# Altium PCB PCB1.PcbDoc
Units mm, origin at the board's own origin, x right, y up, seen from the top; angles counter-clockwise.
Board outline 152.4 x 101.6 mm, 2 copper layers (Top Layer, Bottom Layer); 5 components, 9 nets, 125 pads, 140 vias.
Unrouted connection lines stored in the file: 6.
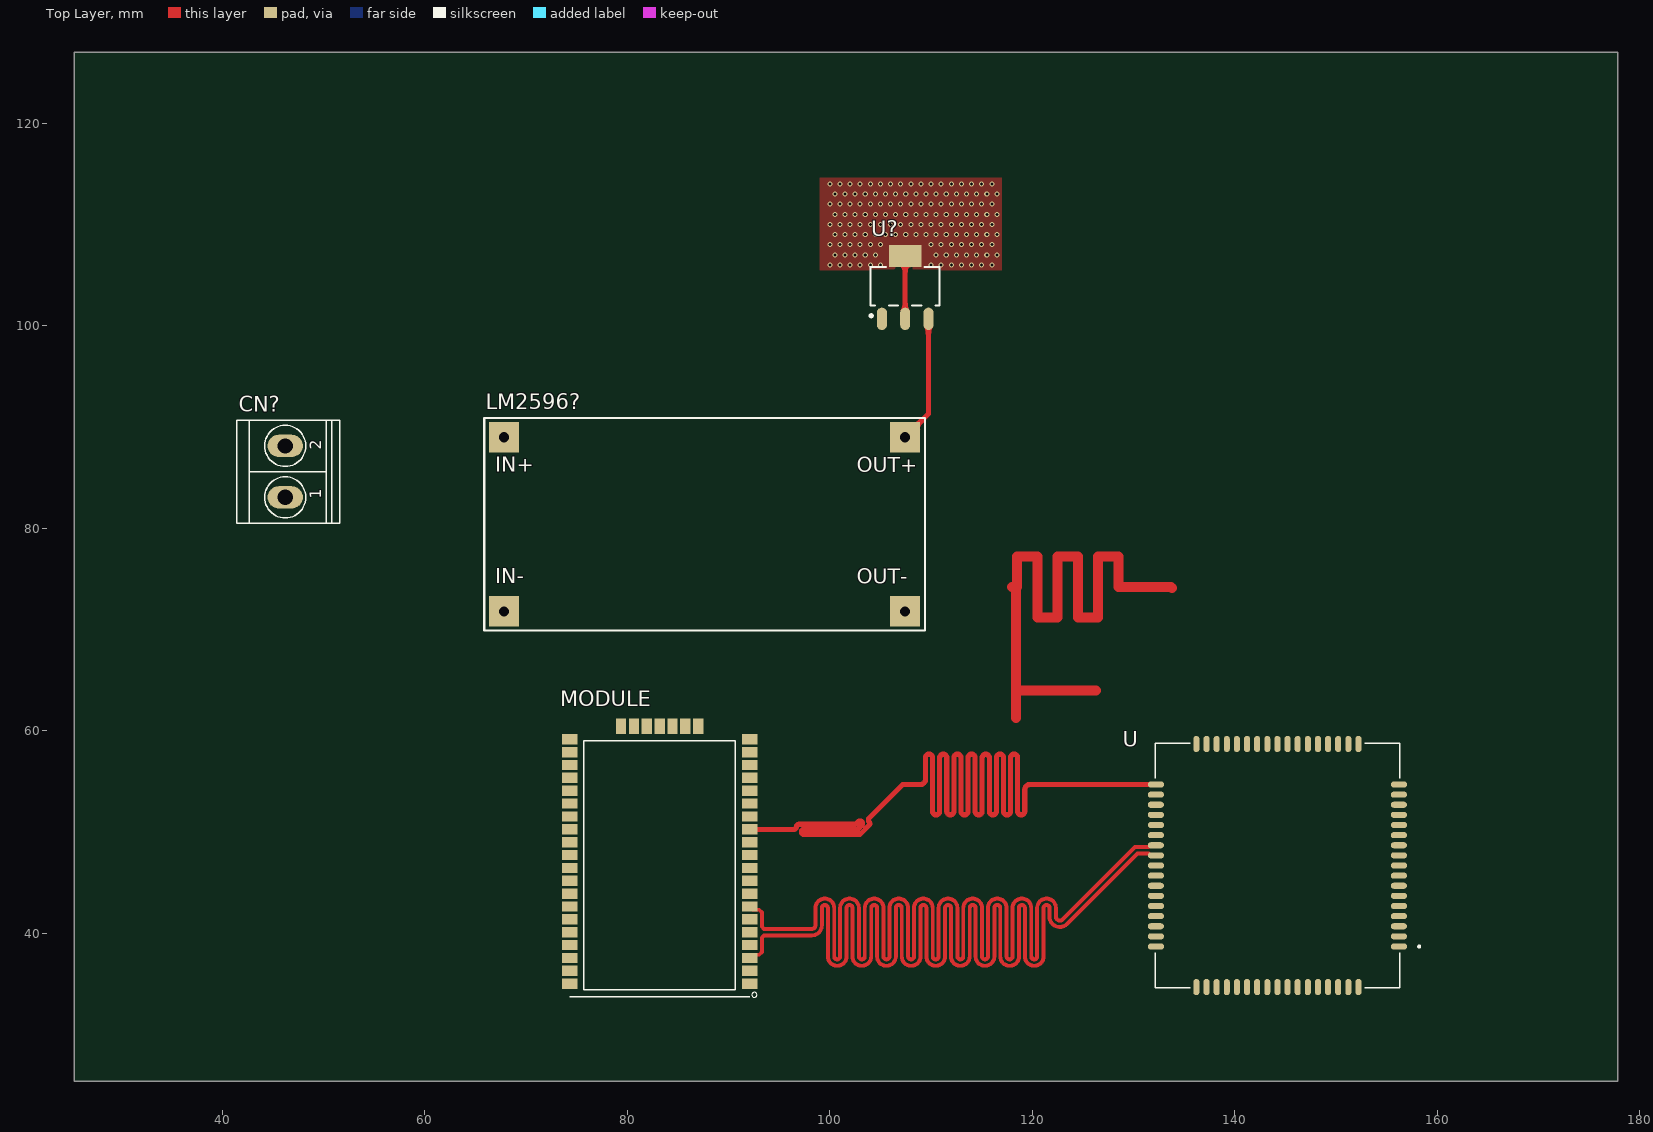
[diagram p0: Top Layer view]
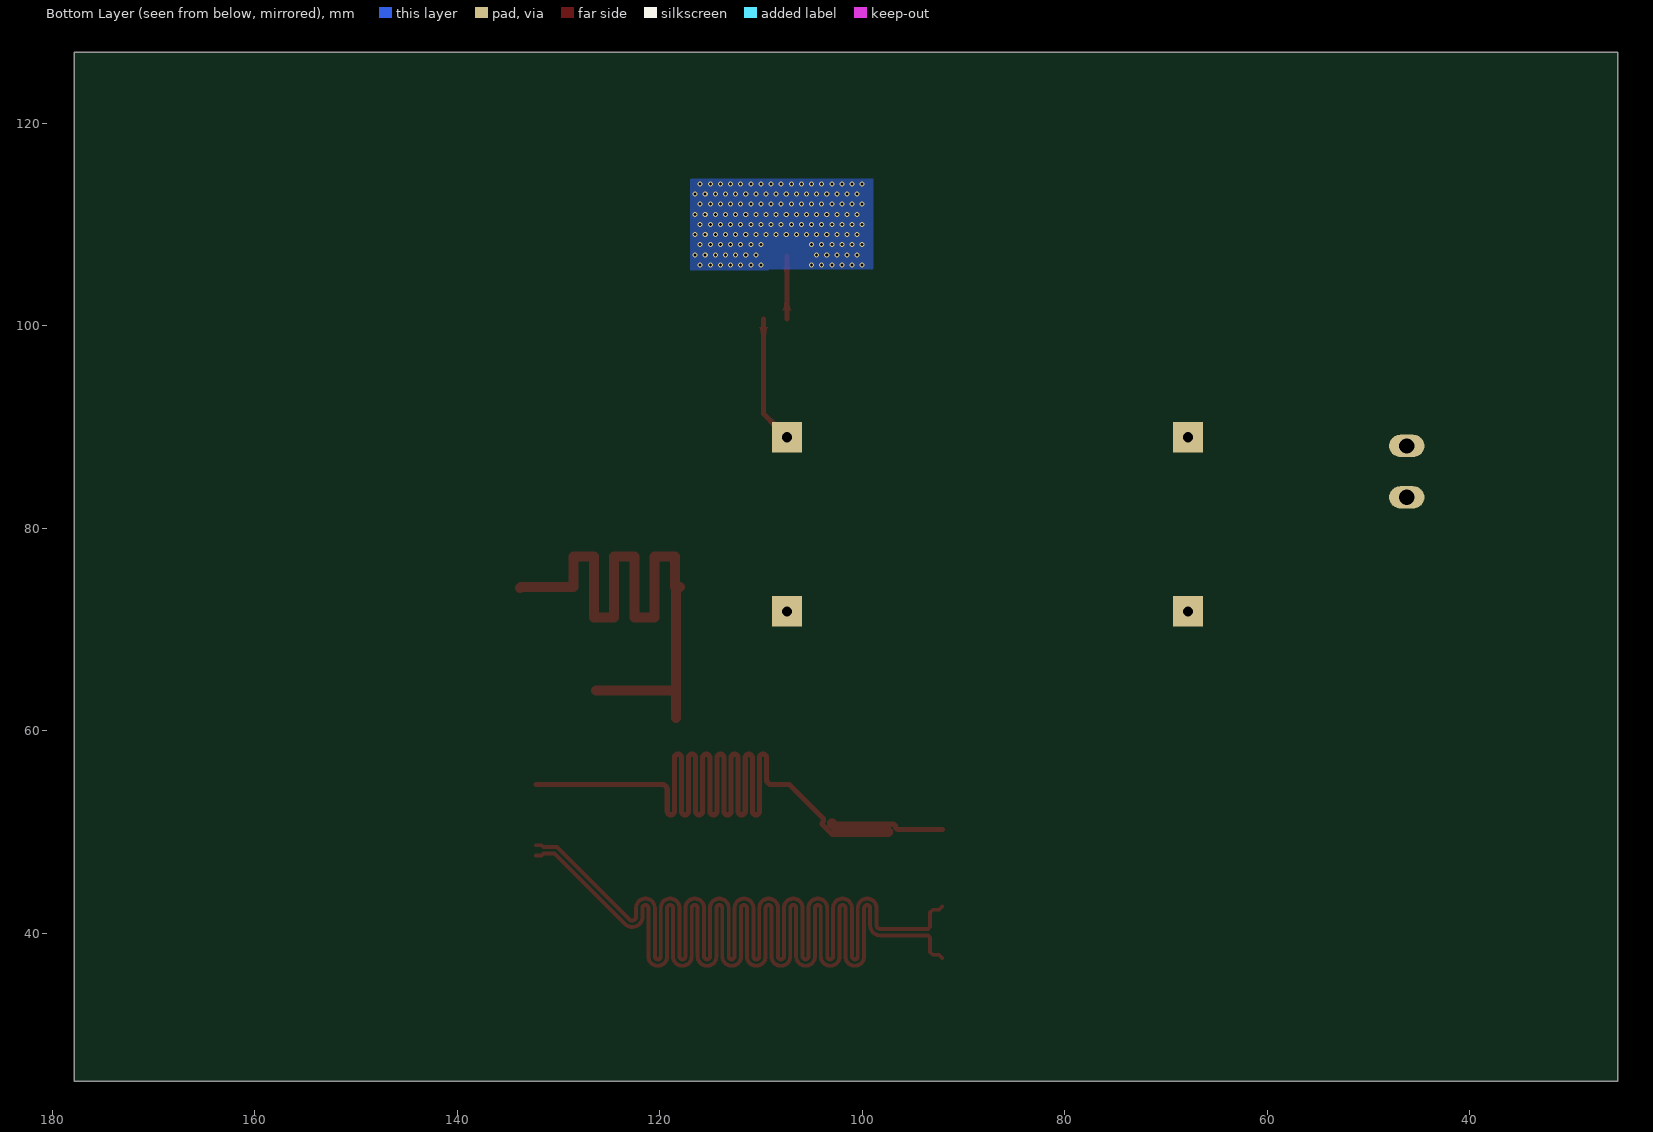
[diagram p1: Bottom Layer view, seen from below]

## Layer stack, top to bottom
Top Solder: solder mask 0.0102, Solder Resist, Dk 3.5
Top Layer: signal copper 0.0356
Dielectric 1: dielectric 0.32, FR-4, Dk 4.8
Bottom Layer: signal copper 0.0356
Bottom Solder: solder mask 0.0102, Solder Resist, Dk 3.5

## Board outline
25.4,25.4 177.8,25.4 177.8,127 25.4,127

## Design rules (kind name [scope] priority, off if disabled: settings)
Clearance [All] p1: gap=0.254 ignorepadtopadclearanceinfootprint=FALSE except(0: Arc-Hole Track-Hole SMDPad-Hole THPad-Hole Via-Hole Fill-Hole Poly-Hole Region-Hole Text-Hole)
DiffPairsRouting [All] p1: maxlimit=0.254 minlimit=0.254 mostfreqgap=0.254 toplayer_minwidth=0.381 toplayer_maxwidth=0.381 toplayer_prefwidth=0.381 bottomlayer_minwidth=0.381 bottomlayer_maxwidth=0.381 bottomlayer_prefwidth=0.381 maxuncoupledlength=12.7
PlaneConnect [InNet('+3.3V')] p1: planeconnectstyle=Direct reliefexpansion=0.508 reliefentries=4 reliefconductorwidth=0.254 reliefairgap=0.254
PolygonConnect [All] p1: connectstyle=Direct reliefconductorwidth=0.254 reliefentries=4 polygonreliefangle="90 Angle" airgapwidth=0.254
RoutingVias [All] p1: holewidth=0.711 width=1.27 viastyle="Through Hole" minholewidth=0.711 minwidth=1.27 maxholewidth=0.711 maxwidth=1.27
SMDToPlane [All] p1: distance=0
SolderMaskExpansion [All] p1: expansion=0.102 istentingtop=FALSE
Width [All] p1: maxlimit=1 minlimit=0.3 preferedwidth=0.5
28 further rules are at their usual default settings.

## Classes and differential pairs
differential pair dif: +dif_P -dif_N

## Components (designator, comment, footprint, x,y, rotation, side; value= is the part's Value field where it differs from the comment)
CN? "TB508-02" TB508-02 46.228,85.598 r90 top
LM2596? "LM2596?" "LM2596 - 3D" 87.63,80.391 r0 top
MODULE "RN2483-I/RM095" MICROCHIP_RN2483-I/RM095 83.2,47.1 r180 top
U "SIM808" XCVR_SIM808 144.2,46.7 r180 top
U? "LD1117" SOT223_4 107.442,103.886 r90 top

## Footprints (in the part's own frame and the unit in brackets; to place one, negate y for a bottom-side part, rotate by r counter-clockwise, add the part's x,y. Pads: shape width x height; smd on the part's side, far side on the other; paste and mask are expansions set on the pad)
"LM2596 - 3D" [mm]
  rect 3x3 hole 1.02 unplated: 1(-19.8,8.6) 2(-19.8,-8.6) 3(19.8,8.6) 4(19.8,-8.6)
  silkscreen extent -21.75,-10.5 21.75,10.5, body extent -21.75,-10.5 21.75,10.5, height 13.05
MICROCHIP_RN2483-I/RM095 [mil]
  rect 60x40 smd: 1(-350,475) 2(-350,425) 3(-350,375) 4(-350,325) 5(-350,275) 6(-350,225) 7(-350,175) 8(-350,125) 9(-350,75) 10(-350,25) 11(-350,-25) 12(-350,-75) 13(-350,-125) 14(-350,-175) 15(-350,-225) 16(-350,-275) 17(-350,-325) 18(-350,-375) 19(-350,-425) 20(-350,-475) 28(350,-475) 29(350,-425) 30(350,-375) 31(350,-325) 32(350,-275) 33(350,-225) 34(350,-175) 35(350,-125) 36(350,-75) 37(350,-25) 38(350,25) 39(350,75) 40(350,125) 41(350,175) 42(350,225) 43(350,275) 44(350,325) 45(350,375) 46(350,425) 47(350,475)
  rect 40x60 smd: 21(-150,-525) 22(-100,-525) 23(-50,-525) 24(0,-525) 25(50,-525) 26(100,-525) 27(150,-525)
  silkscreen extent -379,-470 350,528, body extent -350,-525 350,525, height 131
SOT223_4 [mm] "SOT223, 4-Leads, Body 6.5x3.5mm, Pitch 2.30mm"
  oval 2.2x1 smd: 1(-3.2,2.3) 2(-3.2,0) 3(-3.2,-2.3)
  rect 2.2x3.2 smd: 4(3,0)
  Top Layer pour cut-out: -1.7,3.556 1.7,3.556 1.7,-3.556 -1.7,-3.556
  silkscreen extent -3.02,-3.4 1.9,3.47, body extent -3.5,-3.25 3.5,3.25, height 1.7
TB508-02 [mm] "Vertical terminal block 0.2 inch (5.08mm) pitch"
  oval 2.2x3.5 hole 1.5: 1(-2.54,0) 2(2.54,0)
  silkscreen extent -5.08,-5.4 5.08,4.8, body extent -5.67,-4.75 5.06,4.75, height 15
XCVR_SIM808 [mm]
  oval 1.6x0.6 smd: 1(-12,8) 2(-12,7) 3(-12,6) 4(-12,5) 5(-12,4) 6(-12,3) 7(-12,2) 8(-12,1) 9(-12,0) 10(-12,-1) 11(-12,-2) 12(-12,-3) 13(-12,-4) 14(-12,-5) 15(-12,-6) 16(-12,-7) 17(-12,-8) 35(12,-8) 36(12,-7) 37(12,-6) 38(12,-5) 39(12,-4) 40(12,-3) 41(12,-2) 42(12,-1) 43(12,0) 44(12,1) 45(12,2) 46(12,3) 47(12,4) 48(12,5) 49(12,6) 50(12,7) 51(12,8)
  oval 0.6x1.6 smd: 18(-8,-12) 19(-7,-12) 20(-6,-12) 21(-5,-12) 22(-4,-12) 23(-3,-12) 24(-2,-12) 25(-1,-12) 26(0,-12) 27(1,-12) 28(2,-12) 29(3,-12) 30(4,-12) 31(5,-12) 32(6,-12) 33(7,-12) 34(8,-12) 52(8,12) 53(7,12) 54(6,12) 55(5,12) 56(4,12) 57(3,12) 58(2,12) 59(1,12) 60(0,12) 61(-1,12) 62(-2,12) 63(-3,12) 64(-4,12) 65(-5,12) 66(-6,12) 67(-7,12) 68(-8,12)
  silkscreen extent -14.1,-12.07 12.07,12.07, body extent -12,-12 12,12, height 2.8

## Part data
CN?: library part TB-02, "Terminal Block"
LM2596?: "Módulo de DC-DC LM2596, regulador de convertidor Buck de reducción ajustable, VIN: 3,2 V-40V ; VOUT: 1,25 V-35V"
MODULE: "Sub-GHz Dual Band Long Range Transceiver LoRa Module", Package=None, Availability=Unavailable, MF=Microchip, MP=RN2483-I/RM095, PRICE=None, SnapEDA_Link=https://www.snapeda.com/parts/RN2483-I/RM095/Microchip/view-part/378307/?ref=snap
U: "SIM808 GPS, GPRS/GSM RF Arduino Platform Evaluation Expansion Board", Package=None, Availability=Unavailable, MF="Adafruit Industries", MP=SIM808, PRICE=None, SnapEDA_Link=https://www.snapeda.com/parts/SIM808/SIMcom%20Wireless%20solutions%20Co.%2CLtd/view-part/424834/?ref=snap
U?: library part VREG_1117_SOT223, "REG, Linear, LDO1V, 0.8A, SOT-223", MANF="TI, ON, ST", MANF_P#="LD1117, LM1117, AMS1117, TLV1117, REG1117, NCP1117, LT1117, SPX1117", PARAM="LDO1V, 0.8A", PARAM2=1.2/1.5/1.8/2.5/2.85/3.3/5V

## Via types
v1: diameter 0.5, hole 0.3, Top Layer to Bottom Layer, tented both sides, 140 vias

## Nets (pads, with @x,y where several pads share a name; then routed paths per layer and width w, separated by ;. In a path a pad name is that pad's centre, name@x,y a point inside that pad or via, vN(x,y) a via of type N, cw(c..) or ccw(c..) an arc to the next point about the centre after c; other vN are vias at no path point)
+3.3V: U?.2 U?.4 | length 6.2
  Top Layer w0.5: U?.2 U?.4
  other v1: 100,106 101,106 102,106 103,106 104,106 105,106 110,106 111,106 112,106 113,106 114,106 115,106 116,106 100.5,107 101.5,107 102.5,107 103.5,107 104.5,107 110.5,107 111.5,107 112.5,107 113.5,107 114.5,107 115.5,107 116.5,107 100,108 101,108 102,108 103,108 104,108 105,108 110,108 111,108 112,108 113,108 114,108 115,108 116,108 100.5,109 101.5,109 102.5,109 103.5,109 104.5,109 105.5,109 106.5,109 107.5,109 108.5,109 109.5,109 110.5,109 111.5,109 112.5,109 113.5,109 114.5,109 115.5,109 116.5,109 100,110 101,110 102,110 103,110 104,110 105,110 106,110 107,110 108,110 109,110 110,110 111,110 112,110 113,110 114,110 115,110 116,110 100.5,111 101.5,111 102.5,111 103.5,111 104.5,111 105.5,111 106.5,111 107.5,111 108.5,111 109.5,111 110.5,111 111.5,111 112.5,111 113.5,111 114.5,111 115.5,111 116.5,111 100,112 101,112 102,112 103,112 104,112 105,112 106,112 107,112 108,112 109,112 110,112 111,112 112,112 113,112 114,112 115,112 116,112 100.5,113 101.5,113 102.5,113 103.5,113 104.5,113 105.5,113 106.5,113 107.5,113 108.5,113 109.5,113 110.5,113 111.5,113 112.5,113 113.5,113 114.5,113 115.5,113 116.5,113 100,114 101,114 102,114 103,114 104,114 105,114 106,114 107,114 108,114 109,114 110,114 111,114 112,114 113,114 114,114 115,114 116,114
dif_N: MODULE.3 U.42 | length 147.6
  Top Layer w0.381: MODULE.3 92.408,37.892 93.036,37.892 93.297,38.153 93.297,39.574 93.52,39.797 97.7,39.797 98.208,39.797 ccw(c98.208,40.813) 99.224,40.813 99.224,42.507 cw(c99.515,42.507) 99.805,42.507 99.805,37.723 ccw(c100.731,37.723) 101.656,37.723 101.656,42.507 cw(c101.947,42.507) 102.237,42.507 102.237,37.723 ccw(c103.163,37.723) 104.088,37.723 104.088,42.507 cw(c104.379,42.507) 104.669,42.507 104.669,37.723 ccw(c105.595,37.723) 106.52,37.723 106.52,42.507 cw(c106.811,42.507) 107.101,42.507 107.101,37.723 ccw(c108.027,37.723) 108.952,37.723 108.952,42.507 cw(c109.243,42.507) 109.533,42.507 109.533,37.723 ccw(c110.459,37.723) 111.384,37.723 111.384,42.507 cw(c111.675,42.507) 111.965,42.507 111.965,37.723 ccw(c112.891,37.723) 113.816,37.723 113.816,42.507 cw(c114.107,42.507) 114.397,42.507 114.397,37.723 ccw(c115.323,37.723) 116.248,37.723 116.248,42.507 cw(c116.539,42.507) 116.829,42.507 116.829,37.723 ccw(c117.755,37.723) 118.68,37.723 118.68,42.507 cw(c118.971,42.507) 119.261,42.507 119.261,37.723 ccw(c120.187,37.723) 121.112,37.723 121.112,42.507 cw(c121.403,42.507) 121.693,42.507 121.693,41.646 ccw(c122.709,41.646) 123.428,40.928 124.166,41.666 ccw(c123.942,41.891) 124.167,41.667 124.45,41.95 130.383,47.883 131.458,47.883 131.641,47.7 U.42
dif_P: MODULE.7 U.41 | length 147.6
  Top Layer w0.381: MODULE.7 92.408,42.337 93.036,42.337 93.297,42.077 93.297,40.656 93.52,40.432 97.7,40.432 98.208,40.432 ccw(c98.208,40.813) 98.589,40.813 98.589,42.507 cw(c99.515,42.507) 100.44,42.507 100.44,37.723 ccw(c100.731,37.723) 101.021,37.723 101.021,42.507 cw(c101.947,42.507) 102.872,42.507 102.872,37.723 ccw(c103.163,37.723) 103.453,37.723 103.453,42.507 cw(c104.379,42.507) 105.304,42.507 105.304,37.723 ccw(c105.595,37.723) 105.885,37.723 105.885,42.507 cw(c106.811,42.507) 107.736,42.507 107.736,37.723 ccw(c108.027,37.723) 108.317,37.723 108.317,42.507 cw(c109.243,42.507) 110.168,42.507 110.168,37.723 ccw(c110.459,37.723) 110.749,37.723 110.749,42.507 cw(c111.675,42.507) 112.6,42.507 112.6,37.723 ccw(c112.891,37.723) 113.181,37.723 113.181,42.507 cw(c114.107,42.507) 115.032,42.507 115.032,37.723 ccw(c115.323,37.723) 115.613,37.723 115.613,42.507 cw(c116.539,42.507) 117.464,42.507 117.464,37.723 ccw(c117.755,37.723) 118.045,37.723 118.045,42.507 cw(c118.971,42.507) 119.896,42.507 119.896,37.723 ccw(c120.187,37.723) 120.477,37.723 120.477,42.507 cw(c121.403,42.507) 122.328,42.507 122.328,41.646 ccw(c122.709,41.646) 122.979,41.377 ; 122.98,41.378 123.717,42.115 cw(c123.942,41.891) 123.718,42.116 124.45,42.848 130.119,48.518 131.458,48.518 131.641,48.7 U.41
GND: CN?.1 LM2596?.2 LM2596?.4 U?.1
NetLM2596?_3: LM2596?.3 U?.3 | length 12.7
  Top Layer w0.5: LM2596?.3 109.742,91.303 U?.3
NetMODULE_13: MODULE.13 U.35 | length 135.2
  Top Layer w0.5: MODULE.13 96.2,50.275 96.45,50.275 ccw(c96.45,50.525) 96.7,50.525 cw(c96.95,50.525) 96.95,50.775 102.464,50.775 ccw(c102.464,51.025) 102.64,50.848 102.813,51.02 cw(c102.989,50.843) 103.166,51.02 cw(c102.989,50.843) 103.166,50.666 102.848,50.348 cw(c102.671,50.525) 102.671,50.275 97.45,50.275 ccw(c97.45,50.025) 97.2,50.025 ccw(c97.45,50.025) 97.45,49.775 102.879,49.775 ccw(c102.879,50.025) 103.055,49.848 103.874,50.667 ccw(c103.696,50.843) 103.873,51.02 cw(c104.05,51.196) 103.873,51.373 104.05,51.55 107.2,54.7 108.7,54.7 108.95,54.7 ccw(c108.95,55.2) 109.45,55.2 109.45,57.35 cw(c109.8,57.35) 110.15,57.35 110.15,52.05 ccw(c110.5,52.05) 110.85,52.05 110.85,57.35 cw(c111.2,57.35) 111.55,57.35 111.55,52.05 ccw(c111.9,52.05) 112.25,52.05 112.25,57.35 cw(c112.6,57.35) 112.95,57.35 112.95,52.05 ccw(c113.3,52.05) 113.65,52.05 113.65,57.35 cw(c114,57.35) 114.35,57.35 114.35,52.05 ccw(c114.7,52.05) 115.05,52.05 115.05,57.35 cw(c115.4,57.35) 115.75,57.35 115.75,52.05 ccw(c116.1,52.05) 116.45,52.05 116.45,57.35 cw(c116.8,57.35) 117.15,57.35 117.15,52.05 ccw(c117.5,52.05) 117.85,52.05 117.85,57.35 cw(c118.2,57.35) 118.55,57.35 118.55,52.05 ccw(c118.9,52.05) 119.25,52.05 119.25,54.2 cw(c119.75,54.2) 119.75,54.7 120.7,54.7 U.35
NetMODULE_14: MODULE.14 U.53
NetMODULE_46: MODULE.46 U.66
VCC: CN?.2 LM2596?.1
pads on no net: MODULE.1 MODULE.2 MODULE.4 MODULE.5 MODULE.6 MODULE.8 MODULE.9 MODULE.10 MODULE.11 MODULE.12 MODULE.15 MODULE.16 MODULE.17 MODULE.18 MODULE.19 MODULE.20 MODULE.21 MODULE.22 MODULE.23 MODULE.24 MODULE.25 MODULE.26 MODULE.27 MODULE.28 MODULE.29 MODULE.30 MODULE.31 MODULE.32 MODULE.33 MODULE.34 MODULE.35 MODULE.36 MODULE.37 MODULE.38 MODULE.39 MODULE.40 MODULE.41 MODULE.42 MODULE.43 MODULE.44 MODULE.45 MODULE.47 U.1 U.2 U.3 U.4 U.5 U.6 U.7 U.8 U.9 U.10 U.11 U.12 U.13 U.14 U.15 U.16 U.17 U.18 U.19 U.20 U.21 U.22 U.23 U.24 U.25 U.26 U.27 U.28 U.29 U.30 U.31 U.32 U.33 U.34 U.36 U.37 U.38 U.39 U.40 U.43 U.44 U.45 U.46 U.47 U.48 U.49 U.50 U.51 U.52 U.54 U.55 U.56 U.57 U.58 U.59 U.60 U.61 U.62 U.63 U.64 U.65 U.67 U.68
copper on no net: | length 65.8
  Top Layer w1: 118,74.2 118.5,74.2 118.5,77.2 120.5,77.2 120.5,71.2 122.5,71.2 122.5,77.2 124.5,77.2 124.5,71.2 126.5,71.2 126.5,77.2 128.5,77.2 128.5,74.2 130.615,74.2 133.7,74.2 133.8,74.1 ; 118.4,61.289 118.4,73.8 ; 118.815,64 126.3,64

## Polygon pours and split planes (outlines as drawn)
+3.3V on Top Layer "+3.3V_L01_P000" (solid, pour order 0): 106.5,105.5 99,105.5 99,114.6 117,114.6 117,105.5 108.2,105.5 108.2,106 106.4,106
+3.3V on Bottom Layer "+3.3V_L02_P001" (solid, pour order 1): 105.6,105.6 98.8,105.6 98.9,105.7 98.9,114.5 116.9,114.5 117,114.6 117,105.5 109.3,105.5 109.2,105.6

## Text inside footprints (layer, text, board x,y; h text height)
CN?: Top Overlay "1" at 49.784,82.931 h1.1 r90; Top Overlay "2" at 49.784,87.757 h1.1 r90
LM2596?: Top Overlay "IN+" at 66.956,85.078 h2.54; Top Overlay "IN-" at 66.956,74.078 h2.54; Top Overlay "OUT+" at 102.666,85.048 h2.54; Top Overlay "OUT-" at 102.666,74.048 h2.54